# Altium PCB PCB1.PcbDoc (part 2 of 5) (continued)
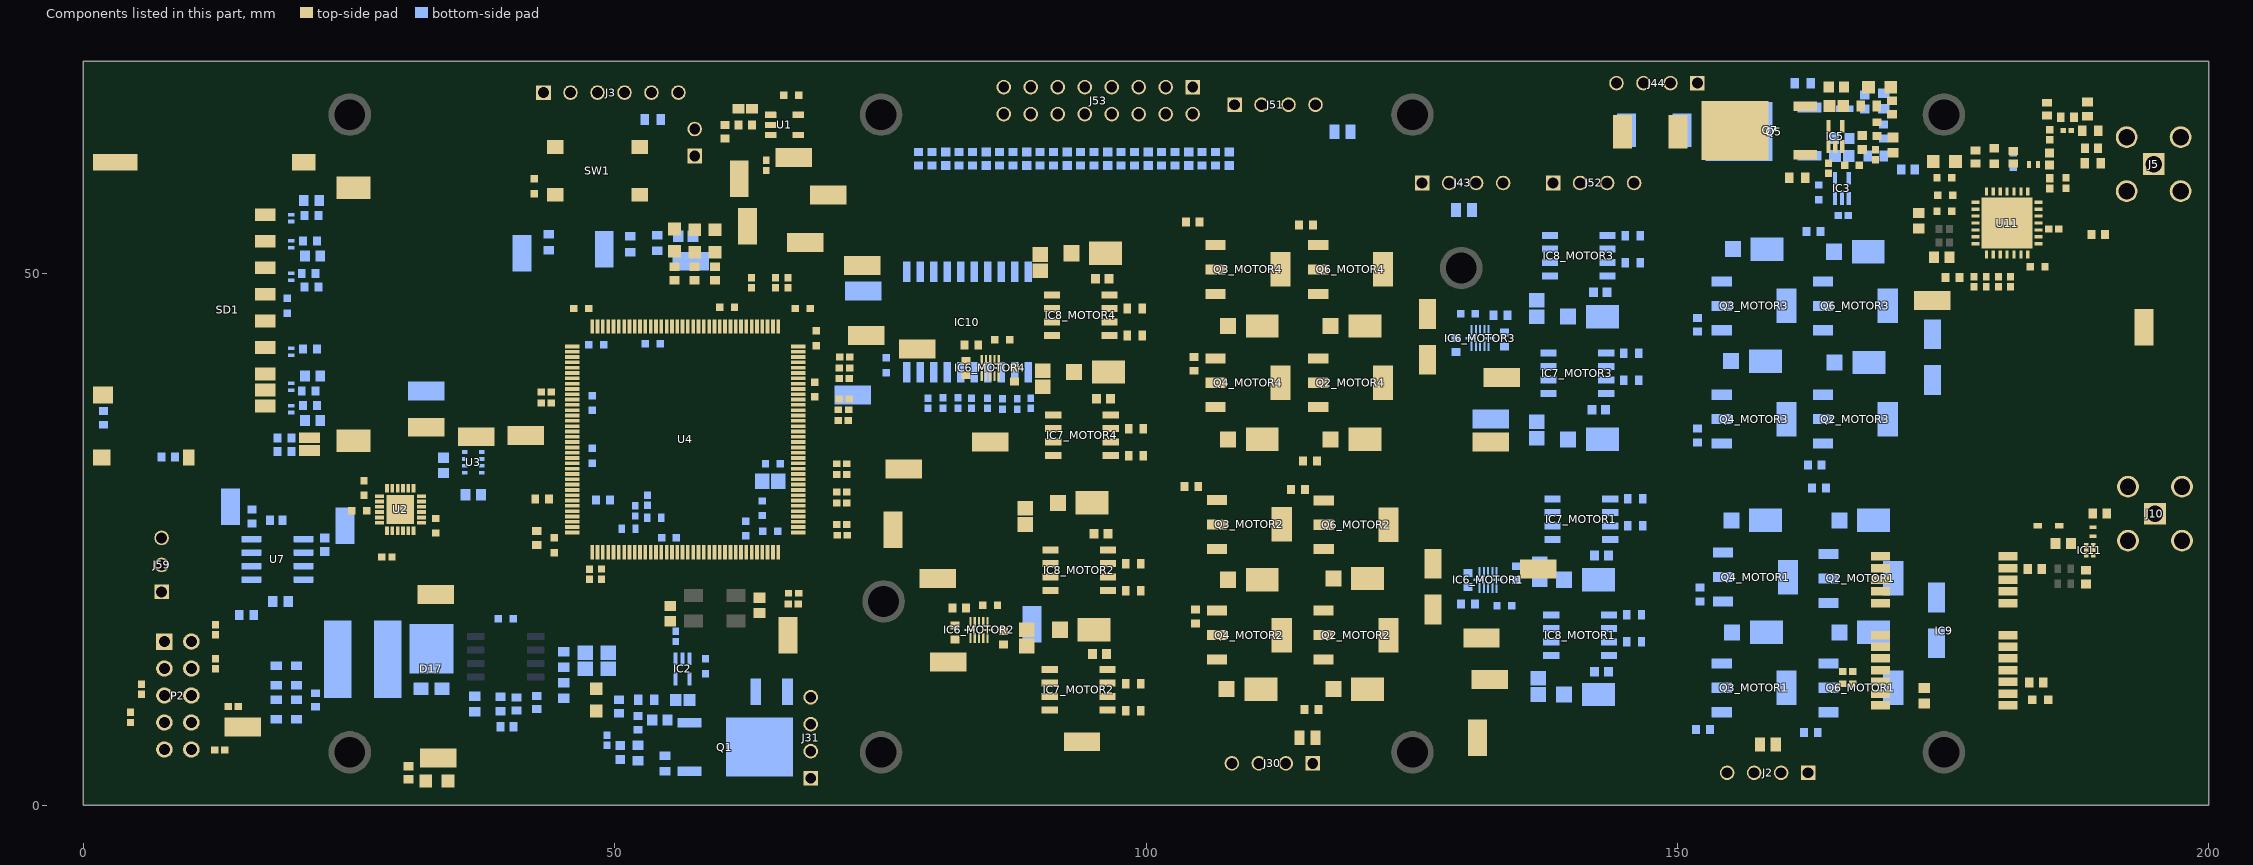
[diagram p6: the components of this part, seen from the top]
## Part data (continued)
C37: library part CMP-2000-06072-1, "Chip Capacitor, 33 pF, +/- 5%, 50 V, -55 to 125 degC, 0603 (1608 Metric), RoHS, Tape and Reel", Capacitance=33pF, Case Code (Imperial)=0603, Case Code (Metric)=1608, Dielectric=C0G, Dielectric Material=Ceramic, Insulation Resistance=100GR, Manufacturer=Yageo, Max Operating Temperature=125°C, Min Operating Temperature=-55°C, Operating Temperature=-55°C~125°C, Package / Case=0603(1608Metric), Package Description="2-Pin Surface Mount Device, Body 1.6 x 0.8 mm", Package Quantity=1, Ratings=-, Standard Package=4,000, Supplier Part Number 1=603-C0603JRNPO9BN330, Temperature Coefficient=COG, Tolerance=±5%, Voltage=50V, Applications=GeneralPurpose, Case/Package=0603, Category=Capacitors, ComponentLink1Description=https://datasheet.ciiva.com/11786/0900766b8079c870-11786082.pdf?src-supplier=RSComponents, ComponentLink1URL=https://datasheet.ciiva.com/11786/0900766b8079c870-11786082.pdf?src-supplier=RSComponents, ComponentLink2Description=https://datasheet.ciiva.com/26862/getdatasheetpartid-403532-26862767.pdf?src-supplier=Verical, ComponentLink2URL=https://datasheet.ciiva.com/26862/getdatasheetpartid-403532-26862767.pdf?src-supplier=Verical, ComponentLink3Description=https://datasheet.ciiva.com/144/mlccorderingcode-144643.pdf?src-supplier=Digi-Key, ComponentLink3URL=https://datasheet.ciiva.com/144/mlccorderingcode-144643.pdf?src-supplier=Digi-Key, ComponentLink4Description=https://datasheet.ciiva.com/144/mlccorderingcode-144644.pdf?src-supplier=Digi-Key, ComponentLink4URL=https://datasheet.ciiva.com/144/mlccorderingcode-144644.pdf?src-supplier=Digi-Key, ComponentLink5Description=https://datasheet.ciiva.com/144/mlccorderingcode-144645.pdf?src-supplier=Digi-Key, ComponentLink5URL=https://datasheet.ciiva.com/144/mlccorderingcode-144645.pdf?src-supplier=Digi-Key, ComponentLink6Description=https://datasheet.ciiva.com/5426/upy-gp-np0-16v-to-50v-8-5426614.pdf?src-supplier=Mouser, ComponentLink6URL=https://datasheet.ciiva.com/5426/upy-gp-np0-16v-to-50v-8-5426614.pdf?src-supplier=Mouser, ComponentLink7Description=https://datasheet.ciiva.com/8033/1372269-8033734.pdf?src-supplier=Element14, ComponentLink7URL=https://datasheet.ciiva.com/8033/1372269-8033734.pdf?src-supplier=Element14, ComponentLink8Description=https://datasheet.ciiva.com/8033/1443161-8033735.pdf?src-supplier=Element14, ComponentLink8URL=https://datasheet.ciiva.com/8033/1443161-8033735.pdf?src-supplier=Element14, ComponentLink9Description=https://datasheet.ciiva.com/11464/upy-gp-np0-16v-to-50v-8-11464730.pdf?src-supplier=Avnet, ComponentLink9URL=https://datasheet.ciiva.com/11464/upy-gp-np0-16v-to-50v-8-11464730.pdf?src-supplier=Avnet, ComponentLink10Description=https://datasheet.ciiva.com/46430/1835847-46430155.pdf?src-supplier=Element14, ComponentLink10URL=https://datasheet.ciiva.com/46430/1835847-46430155.pdf?src-supplier=Element14, ComponentLink11Description=https://datasheet.ciiva.com/7978/1443161-7978142.pdf?src-supplier=Element14, ComponentLink11URL=https://datasheet.ciiva.com/7978/1443161-7978142.pdf?src-supplier=Element14, Datasheet URL=http://www.yageo.com/NewPortal/yageodocoutput?fileName=/pdf/MLCC/UPY-GP_NP0_16V-to-50V_14.pdf, Datasheet Version="Rev. 14, 07/2016", Depth=0.8mm, Family=CeramicCapacitors, Featured Product=CommodityMultilayerCeramicCapacitors–CCSeries, Features=-, Height=0.8mm, Height - Seated (Max)=-, Lead Free="Lead Free", Lead Spacing=-, Lead Style=-, Length=1.6mm, Manufacturer Part Number=CC0603JRNPO9BN330, Manufacturer URL=http://www.yageo.com/, Mount="Surface Mount", Mounting Technology=SurfaceMount, Mounting Type=SurfaceMount,MLCC, Number of Pins=2, Online Catalog=CCSeries, Other Names=0603CG330J9B200223886715339223886715339311-1064-2311-1282-2311-1282-2-NDCC0603JRNP09BN330BCC0603JRNPO9BN330B, Package Reference=0603, Packaging=Tape&Reel(TR), Pricing 1="1=0,10000, 10=0,05700, 50=0,05700, 100=0,02500, 500=0,01900, 1000=0,01500, 4000=0,01200, 8000=0,01000, 10000=0,01000 (USD)", Product Training Modules=MultilayerCeramicCapacitors, Radiation Hardening=No, REACH SVHC="No SVHC", Resistor Type=Ceramic, RoHS=Yes, RoHS Compliant=Yes, Series=CC, Size / Dimension="0.063\"Lx0.031\"W(1.60mmx0.80mm)", Stock 1=34053, Supplier 1=Mouser, Termination=SMD/SMT, Thickness=0.035inch, Thickness (Max)="0.035\"(0.90mm)", Voltage - Rated=50V, Voltage Rating=50V, Voltage Rating (DC)=50V, Width=0.031inch
C38: library part CMP-2006-03239-2, "CAP CER 4.7PF 50V NP0 0603", Capacitance="4.7 pF", Case Code (Imperial)=0603, Case Code (Metric)=1608, Dielectric=C0G, Dielectric Material=Ceramic, Manufacturer=KEMET, Max Operating Temperature=125°C, Min Operating Temperature=-55°C, Package=C0603C-CF, Package Quantity=1, Supplier Part Number 1=80-C0603C479C5G, Temperature="-55°C to +125°C", Temperature Coefficient=30ppm/°C, Temperature Range High=+125°C, Tolerance="0.25 pF", Voltage=50V, Voltage Rating="50 V", Automotive=Yes, Automotive Grade="Grade 1", Case/Package=0603, Category=Cap, ComponentLink1Description=https://datasheet.ciiva.com/16623/datasheetpn-c0603c479c5gac7867-16623650.pdf?src-supplier=Avnet+Europe, ComponentLink1URL=https://datasheet.ciiva.com/16623/datasheetpn-c0603c479c5gac7867-16623650.pdf?src-supplier=Avnet+Europe, ComponentLink2Description=Datasheet, ComponentLink2URL=https://api.kemet.com/component-edge/download/datasheet/C0603C100J5GACAUTO.pdf, ComponentLink3Description=https://datasheet.ciiva.com/7823/40889-7823813.pdf?src-supplier=Element14, ComponentLink3URL=https://datasheet.ciiva.com/7823/40889-7823813.pdf?src-supplier=Element14, ComponentLink4Description=https://datasheet.ciiva.com/5422/kem-c1003-c0g-smd-5422091.pdf?src-supplier=Mouser, ComponentLink4URL=https://datasheet.ciiva.com/5422/kem-c1003-c0g-smd-5422091.pdf?src-supplier=Mouser, Construction=Flat, Contact Plating=Tin,Matte, Depth=0.8mm, Device Class L1="Passive Components", Device Class L2=Capacitors, Device Class L3="Ceramic Capacitors", Digikey Description="CAP CER 4.7PF 50V NP0 0603", Height=0.87mm, Lead Free=Yes, Lead Pitch=0.7mm, Length=1.6mm, Manufacturer Part Number=C0603C479C5GACTU, Material=Ceramic, Mount="Surface Mount", Mouser Description="Multilayer Ceramic Capacitors MLCC - SMD/SMT 50volts 4.7pF C0G 0.25%", Number of Pins=2, Octopart=https://octopart.com/c0603c479c5gactu-kemet-3648287, Packaging="Tape and Reel", Pricing 1="1=0,38000, 10=0,21400, 50=0,21400, 100=0,13700, 500=0,11800, 1000=0,10600, 4000=0,07800, 10000=0,07800 (USD)", Radiation Hardening=No, REACH SVHC="No SVHC", RoHS=TRUE, RoHS Compliant=Yes, Series=C, Stock 1=25651, Supplier 1=Mouser, Temperature Characteristic=C0G, Temperature Range Low=-55°C, Termination=SMD/SMT, Thickness=0.034inch, Voltage Rating (DC)=50V, Width=0.031inch
C39: library part CMP-2006-04666-1, Capacitance=1.8pF, Case Code (Imperial)=0603, Case Code (Metric)=1608, Dielectric=C0G, Dielectric Material=Ceramic, Manufacturer="AVX Interconnect / Elco", Max Operating Temperature=125°C, Min Operating Temperature=-55°C, Package Quantity=8000, Supplier Part Number 1=581-06032U1R8B, Temperature Coefficient=30ppm/°C, Voltage=200V, Case/Package=0603, Category="Ceramic Capacitors", ComponentLink1Description=https://datasheet.ciiva.com/11786/0900766b80def273-11786574.pdf?src-supplier=RSComponents, ComponentLink1URL=https://datasheet.ciiva.com/11786/0900766b80def273-11786574.pdf?src-supplier=RSComponents, ComponentLink2Description=https://datasheet.ciiva.com/1124/319610-1124480.pdf?src-supplier=Element14, ComponentLink2URL=https://datasheet.ciiva.com/1124/319610-1124480.pdf?src-supplier=Element14, ComponentLink3Description=https://datasheet.ciiva.com/207/useries-207428.pdf?src-supplier=Digi-Key, ComponentLink3URL=https://datasheet.ciiva.com/207/useries-207428.pdf?src-supplier=Digi-Key, ComponentLink4Description=https://datasheet.ciiva.com/11572/useries-11572647.pdf?src-supplier=Avnet, ComponentLink4URL=https://datasheet.ciiva.com/11572/useries-11572647.pdf?src-supplier=Avnet, ComponentLink5Description=https://datasheet.ciiva.com/17489/useries-17489483.pdf?src-supplier=Avnet+Europe, ComponentLink5URL=https://datasheet.ciiva.com/17489/useries-17489483.pdf?src-supplier=Avnet+Europe, ComponentLink6Description=https://datasheet.ciiva.com/16327/useries-16327213.pdf?src-supplier=Future+Electronics, ComponentLink6URL=https://datasheet.ciiva.com/16327/useries-16327213.pdf?src-supplier=Future+Electronics, ComponentLink7Description=https://datasheet.ciiva.com/1124/319610-1124479.pdf?src-supplier=Element14, ComponentLink7URL=https://datasheet.ciiva.com/1124/319610-1124479.pdf?src-supplier=Element14, Construction=Flat, Contact Plating=Tin,Matte, Depth=0.76mm, Height=2.03mm, Lead Free="Lead Free", Length=1.52mm, Manufacturer Part Number=06032U1R8BAT2A, Mount="Surface Mount", Packaging="Tape and Reel", Part Number=06032U1R8BAT2A, Pricing 1="1=0,35000, 10=0,24000, 50=0,24000, 100=0,13600, 500=0,09600, 1000=0,08400, 4000=0,07400, 8000=0,06100, 10000=0,06100 (USD)", Radiation Hardening=No, REACH SVHC="No SVHC", Resistor Type=Ceramic, RoHS=Yes, RoHS Compliant=Yes, Series=U, Stock 1=3809, Supplier 1=Mouser, Termination=SMD/SMT, Thickness=0.036inch, Voltage Rating=200V, Voltage Rating (DC)=200V, Width=0.03inch
C49: library part CMP-2100-03600-2, "CAP CER 10000PF 50V X7R 0603", Capacitance="10 nF", Case Code (Imperial)=0603, Case Code (Metric)=1608, Dielectric=X7R, Insulation Resistance=100GR, Manufacturer=YAGEO, Max Operating Temperature=125°C, Min Operating Temperature=-55°C, Package=CC0603-DA, Package Quantity=1, Resistor Type=Ceramic, Supplier Part Number 1=603-CC603KRX7R9BB103, Temperature="-55°C to +125°C", Temperature Coefficient=15%, Temperature Range High=+125°C, Tolerance=0.1, Voltage="50 V", Voltage Rating (DC)=50V, Automotive=No, Case/Package=0603, Category=Cap, ComponentLink1Description=https://datasheet.ciiva.com/11788/0900766b8079c870-11788374.pdf?src-supplier=RSComponents, ComponentLink1URL=https://datasheet.ciiva.com/11788/0900766b8079c870-11788374.pdf?src-supplier=RSComponents, ComponentLink2Description=Datasheet, ComponentLink2URL=http://www.yageo.com/documents/recent/UPY-GPHC_X7R_6.3V-to-50V_18.pdf, ComponentLink3Description=https://datasheet.ciiva.com/26862/getdatasheetpartid-403582-26862846.pdf?src-supplier=Verical, ComponentLink3URL=https://datasheet.ciiva.com/26862/getdatasheetpartid-403582-26862846.pdf?src-supplier=Verical, ComponentLink4Description=https://datasheet.ciiva.com/8033/1734573-8033861.pdf?src-supplier=Element14, ComponentLink4URL=https://datasheet.ciiva.com/8033/1734573-8033861.pdf?src-supplier=Element14, ComponentLink5Description=https://datasheet.ciiva.com/176/mlccorderingcode-176550.pdf?src-supplier=Digi-Key, ComponentLink5URL=https://datasheet.ciiva.com/176/mlccorderingcode-176550.pdf?src-supplier=Digi-Key, ComponentLink6Description=https://datasheet.ciiva.com/176/mlccorderingcode-176551.pdf?src-supplier=Digi-Key, ComponentLink6URL=https://datasheet.ciiva.com/176/mlccorderingcode-176551.pdf?src-supplier=Digi-Key, ComponentLink7Description=https://datasheet.ciiva.com/13389/upy-gphc-x7r-6-3v-to-50v-8-13389991.pdf?src-supplier=Mouser, ComponentLink7URL=https://datasheet.ciiva.com/13389/upy-gphc-x7r-6-3v-to-50v-8-13389991.pdf?src-supplier=Mouser, ComponentLink8Description=https://datasheet.ciiva.com/176/mlccorderingcode-176552.pdf?src-supplier=Digi-Key, ComponentLink8URL=https://datasheet.ciiva.com/176/mlccorderingcode-176552.pdf?src-supplier=Digi-Key, ComponentLink9Description=https://datasheet.ciiva.com/8033/1734573-8033816.pdf?src-supplier=Element14, ComponentLink9URL=https://datasheet.ciiva.com/8033/1734573-8033816.pdf?src-supplier=Element14, ComponentLink10Description=https://datasheet.ciiva.com/8033/70765-8033817.pdf?src-supplier=Element14, ComponentLink10URL=https://datasheet.ciiva.com/8033/70765-8033817.pdf?src-supplier=Element14, ComponentLink11Description=https://datasheet.ciiva.com/16625/upy-gphc-x7r-6-3v-to-50v-8-16625529.pdf?src-supplier=Avnet+Europe, ComponentLink11URL=https://datasheet.ciiva.com/16625/upy-gphc-x7r-6-3v-to-50v-8-16625529.pdf?src-supplier=Avnet+Europe, ComponentLink12Description=https://datasheet.ciiva.com/28450/1489800-28450619.pdf?src-supplier=Element14, ComponentLink12URL=https://datasheet.ciiva.com/28450/1489800-28450619.pdf?src-supplier=Element14, Depth=0.8mm, Device Class L1="Passive Components", Device Class L2=Capacitors, Device Class L3="Ceramic Capacitors", Digikey Description="CAP CER 10000PF 50V X7R 0603", Footprint Url=http://www.yageo.com/exep/pages/download/literatures/UPY-C_GEN_24.pdf, Halogen Free="Halogen Free", Height=0.9mm, Lead Free=Yes, Length=1.6mm, Manufacturer Part Number=CC0603KRX7R9BB103, Material=Ceramic, Mount="Surface Mount", Mouser Description="Multilayer Ceramic Capacitor, CC Series, 0.01 - F, - 10%, X7R, 50 V, 0603 [1608 Metric]", Number of Pins=2, Octopart=https://octopart.com/cc0603krx7r9bb103-yageo-192938, Packaging="Tape and Reel", Pricing 1="1=0,10000, 10=0,05300, 50=0,05300, 100=0,02400, 500=0,01700, 1000=0,01300, 2000=0,01200, 4000=0,01100, 8000=0,00900, 10000=0,00900 (USD)", Radiation Hardening=No, REACH SVHC="No SVHC", RoHS=TRUE, RoHS Compliant=Yes, Series=CC, Stock 1=73824, Supplier 1=Mouser, Temperature Characteristic=X7R, Temperature Range Low=-55°C, Termination=SMD/SMT, Thickness=0.035inch, Voltage Rating="50 V", Width=0.031inch
C53: library part CMP-2000-07551-2, "Multilayer Ceramic Capacitors 330nF ±10% 50V X7R SMD 0603", Capacitance=330nF, Case Code (Imperial)=0603, Case Code (Metric)=1608, Dielectric=X7R, Dielectric Material=Ceramic, Manufacturer=TDK, Max Operating Temperature=125°C, Min Operating Temperature=-55°C, Package Quantity=1, Supplier Part Number 1=810-C1608X7R1H334K, Tolerance=10%, Voltage=50V, Case/Package=0603, Category="Ceramic Capacitors", ComponentLink1Description=https://datasheet.ciiva.com/22718/1796654-22718021.pdf?src-supplier=Element14, ComponentLink1URL=https://datasheet.ciiva.com/22718/1796654-22718021.pdf?src-supplier=Element14, ComponentLink2Description=https://datasheet.ciiva.com/6290/tdkmlcccaprange-6290791.pdf?src-supplier=Digi-Key, ComponentLink2URL=https://datasheet.ciiva.com/6290/tdkmlcccaprange-6290791.pdf?src-supplier=Digi-Key, ComponentLink3Description=https://datasheet.ciiva.com/16427/general-b11-16427753.pdf?src-supplier=Future+Electronics, ComponentLink3URL=https://datasheet.ciiva.com/16427/general-b11-16427753.pdf?src-supplier=Future+Electronics, ComponentLink4Description=https://datasheet.ciiva.com/23803/1735394-23803004.pdf?src-supplier=Newark, ComponentLink4URL=https://datasheet.ciiva.com/23803/1735394-23803004.pdf?src-supplier=Newark, ComponentLink5Description=https://datasheet.ciiva.com/28451/1796654-28451356.pdf?src-supplier=Element14, ComponentLink5URL=https://datasheet.ciiva.com/28451/1796654-28451356.pdf?src-supplier=Element14, ComponentLink6Description=https://datasheet.ciiva.com/6290/tdkmlcccaprange-6290782.pdf?src-supplier=Digi-Key, ComponentLink6URL=https://datasheet.ciiva.com/6290/tdkmlcccaprange-6290782.pdf?src-supplier=Digi-Key, Construction=Flat, Depth=0.8mm, Height=0.8mm, Lead Free="Lead Free", Length=1.6mm, Manufacturer Part Number=C1608X7R1H334K080AC, Mount="Surface Mount", Packaging="Tape and Reel", Pricing 1="1=0,25000, 10=0,11500, 50=0,11500, 100=0,09700, 1000=0,06000, 10000=0,05000 (USD)", REACH SVHC="No SVHC", Resistor Type=Ceramic, RoHS=Yes, RoHS Compliant=Yes, Series=C, Stock 1=79489, Supplier 1=Mouser, Termination=SMD/SMT, Thickness=0.037inch, Voltage Rating=50V, Voltage Rating (DC)=50V, Weight=7.1E-05oz, Width=0.031inch
C56_MOTOR1 C56_MOTOR2 C56_MOTOR3 C56_MOTOR4 C59_MOTOR1 C59_MOTOR2 C59_MOTOR3 C59_MOTOR4 C63 C64 C66: library part CMP-08246-002675-1, "Multilayer Ceramic Capacitors 10μF ±10% 25V X5R SMD 0805", Capacitance=10uF, Case Code (Imperial)=0805, Case Code (Metric)=2012, Dielectric=X5R, Dielectric Material=Ceramic, Manufacturer=TDK, Max Operating Temperature=85°C, Min Operating Temperature=-55°C, Package Quantity=1, Supplier Part Number 1=810-C2012X5R1E106K, Tolerance=10%, Voltage=25V, Case/Package=0805, Category="Ceramic Capacitors", ComponentLink1Description=https://datasheet.ciiva.com/22725/1913358-22725561.pdf?src-supplier=Element14, ComponentLink1URL=https://datasheet.ciiva.com/22725/1913358-22725561.pdf?src-supplier=Element14, ComponentLink2Description=https://datasheet.ciiva.com/16394/general-b11-16394044.pdf?src-supplier=Future+Electronics, ComponentLink2URL=https://datasheet.ciiva.com/16394/general-b11-16394044.pdf?src-supplier=Future+Electronics, ComponentLink3Description=https://datasheet.ciiva.com/24216/mlcc-commercial-general-en-24216237.pdf?src-supplier=Mouser, ComponentLink3URL=https://datasheet.ciiva.com/24216/mlcc-commercial-general-en-24216237.pdf?src-supplier=Mouser, Depth=1.25mm, Height=1.25mm, Lead Free="Lead Free", Length=2mm, Manufacturer Part Number=C2012X5R1E106K125AB, Mount="Surface Mount", Packaging="Tape and Reel", Pricing 1="1=0,34000, 10=0,24100, 50=0,24100, 100=0,14400, 1000=0,09100, 10000=0,08800 (USD)", REACH SVHC="No SVHC", Resistor Type=Ceramic, RoHS=Yes, Series=C, Stock 1=75897, Supplier 1=Mouser, Termination=SMD/SMT, Thickness=0.057inch, Voltage Rating=25V, Voltage Rating (DC)=25V, Weight=0.000194oz, Width=0.049inch
C61: library part CMP-2006-03010-2, "CAP CER 1000PF 25V 5% NP0 0603", Capacitance=1nF, Case Code (Imperial)=0603, Case Code (Metric)=1608, Dielectric=C0G, Dielectric Material=Ceramic, Manufacturer=KEMET, Max Operating Temperature=125°C, Min Operating Temperature=-55°C, Package=C0603C-CF, Package Quantity=1, Supplier Part Number 1=80-C0603C102J3G, Temperature="-55°C to +125°C", Temperature Coefficient=30ppm/°C, Temperature Range High=+125°C, Tolerance=0.05, Voltage=25V, Voltage Rating="25 V", Automotive=Yes, Automotive Grade="Grade 1", Case/Package=0603, Category=Cap, ComponentLink1Description=https://datasheet.ciiva.com/18192/getdatasheetpartid-127803-18192629.pdf?src-supplier=Verical, ComponentLink1URL=https://datasheet.ciiva.com/18192/getdatasheetpartid-127803-18192629.pdf?src-supplier=Verical, ComponentLink2Description=Datasheet, ComponentLink2URL=https://api.kemet.com/component-edge/download/datasheet/C0603C100J5GACAUTO.pdf, ComponentLink3Description=https://datasheet.ciiva.com/7823/f9080b-0402-series-c0g-7823966.pdf?src-supplier=Element14, ComponentLink3URL=https://datasheet.ciiva.com/7823/f9080b-0402-series-c0g-7823966.pdf?src-supplier=Element14, ComponentLink4Description=https://datasheet.ciiva.com/7823/f9080b-0402-series-c0g-7823967.pdf?src-supplier=Element14, ComponentLink4URL=https://datasheet.ciiva.com/7823/f9080b-0402-series-c0g-7823967.pdf?src-supplier=Element14, Construction=Flat, Contact Plating=Tin,Matte, Depth=0.8mm, Device Class L1="Passive Components", Device Class L2=Capacitors, Device Class L3="Ceramic Capacitors", Digikey Description="CAP CER 1000PF 25V 5% NP0 0603", Height=0.87mm, Lead Free=Yes, Lead Pitch=0.7mm, Length=1.6mm, Manufacturer Part Number=C0603C102J3GACTU, Material=Ceramic, Mount="Surface Mount", Mouser Description="Multilayer Ceramic Capacitors MLCC - SMD/SMT 25volts 1000pF C0G 5%", Number of Pins=2, Octopart=https://octopart.com/c0603c102j3gactu-kemet-8375722, Packaging="Tape and Reel", Pricing 1="1=0,10000, 10=0,02700, 50=0,02700, 100=0,02200, 500=0,01600, 1000=0,01200, 4000=0,01000, 8000=0,00900, 10000=0,00900 (USD)", Radiation Hardening=No, REACH SVHC="No SVHC", RoHS=TRUE, RoHS Compliant=Yes, Series=C, Stock 1=70048, Supplier 1=Mouser, Temperature Characteristic=C0G, Temperature Range Low=-55°C, Termination=SMD/SMT, Thickness=0.034inch, Voltage Rating (DC)=25V, Width=0.031inch
C67: library part CMP-03020-028619-1, "CAP CER 10PF 25V NP0 0603", Capacitance="10 pF", Case Code (Imperial)=0603, Case Code (Metric)=1608, Dielectric=C0G, Dielectric Material=Ceramic, Manufacturer=KEMET, Max Operating Temperature=125°C, Min Operating Temperature=-55°C, Package=C0603C-CF, Package Quantity=4000, Supplier Part Number 1=80-C0603C100J3G, Temperature="-55°C to +125°C", Temperature Coefficient=30ppm/°C, Temperature Range High=+125°C, Tolerance=0.05, Voltage Rating="25 V", Voltage Rating (DC)=25V, Automotive=Yes, Automotive Grade="Grade 1", Case/Package=0603, Category=Cap, ComponentLink1Description=https://datasheet.ciiva.com/5450/kem-c1003-c0g-smd-356956-5450264.pdf?src-supplier=Mouser, ComponentLink1URL=https://datasheet.ciiva.com/5450/kem-c1003-c0g-smd-356956-5450264.pdf?src-supplier=Mouser, ComponentLink2Description=Datasheet, ComponentLink2URL=https://api.kemet.com/component-edge/download/datasheet/C0603C100J5GACAUTO.pdf, Construction=Flat, Depth=0.8mm, Device Class L1="Passive Components", Device Class L2=Capacitors, Device Class L3="Ceramic Capacitors", Digikey Description="CAP CER 10PF 25V NP0 0603", Dissipation Factor=0.1%, Height=0.87mm, Lead Free=Yes, Lead Pitch=0.7mm, Length=1.6mm, Manufacturer Part Number=C0603C100J3GACTU, Material=Ceramic, Mount="Surface Mount", Mouser Description="Capacitor, Ceramic, 10Pf, 25Vdc, 5-% Tol, 5+% Tol, C0g-Tc Code, -30, 30Ppm-Tc Rohs Compliant: Yes", Octopart=https://octopart.com/c0603c100j3gactu-kemet-16430573, Packaging="Tape and Reel", Pricing 1="1=0,26000, 10=0,18000, 50=0,18000, 100=0,10300, 1000=0,06400, 10000=0,05500 (USD)", Radiation Hardening=No, RoHS=TRUE, RoHS Compliant=Yes, Series=C, Stock 1=3745, Supplier 1=Mouser, Temperature Characteristic=C0G, Temperature Range Low=-55°C, Termination=SMD/SMT, Thickness=0.034inch, Width=0.031inch
C68: library part CMP-2006-03852-2, "CAP CER 8200PF 25V X7R 0603", Capacitance="8,200 pF", Case Code (Imperial)=0603, Case Code (Metric)=1608, Dielectric=X7R, Dielectric Material=Ceramic, Manufacturer=KEMET, Max Operating Temperature=125°C, Min Operating Temperature=-55°C, Package=C0603C-CF, Package Quantity=4000, Supplier Part Number 1=80-C0603C822K3R, Temperature="-55°C to +125°C", Temperature Coefficient=30ppm/°C, Temperature Range High=+125°C, Tolerance=0.1, Voltage Rating="25 V", Voltage Rating (DC)=25V, Automotive=Yes, Automotive Grade="Grade 1", Case/Package=0603, Category=Cap, ComponentLink1Description=https://datasheet.ciiva.com/5437/kem-c1002-x7r-smd-357932-5437145.pdf?src-supplier=Mouser, ComponentLink1URL=https://datasheet.ciiva.com/5437/kem-c1002-x7r-smd-357932-5437145.pdf?src-supplier=Mouser, ComponentLink2Description=Datasheet, ComponentLink2URL=https://api.kemet.com/component-edge/download/datasheet/C0603C100J5GACAUTO.pdf, Depth=0.8mm, Device Class L1="Passive Components", Device Class L2=Capacitors, Device Class L3="Ceramic Capacitors", Digikey Description="CAP CER 8200PF 25V X7R 0603", Dissipation Factor=10%, Height=0.87mm, Lead Free=Yes, Lead Pitch=0.7mm, Length=1.6mm, Manufacturer Part Number=C0603C822K3RACTU, Material=Ceramic, Mount="Surface Mount", Mouser Description="Capacitor, Ceramic, 8.2Nf, 25Vdc, 10-% Tol, 10+% Tol, X7r-Tc Code, -15, 15%-Tc Rohs Compliant: Yes", Octopart=https://octopart.com/c0603c822k3ractu-kemet-9144236, Packaging="Tape and Reel", Pricing 1="1=0,26000, 10=0,18000, 50=0,18000, 100=0,10200, 1000=0,06300, 10000=0,05500 (USD)", RoHS=TRUE, RoHS Compliant=Yes, Series=C, Stock 1=7611, Supplier 1=Mouser, Temperature Characteristic=X7R, Temperature Range Low=-55°C, Termination=SMD/SMT, Thickness=0.034inch, Width=0.031inch
C69: library part CMP-1035-02159-3, "CAP CER 3900PF 25V X7R 0603", Capacitance=3.9nF, Case Code (Imperial)=0603, Case Code (Metric)=1608, Dielectric=X7R, Dielectric Material=Ceramic, Manufacturer=KEMET, Max Operating Temperature=125°C, Min Operating Temperature=-55°C, Package=C0603C-CF, Package Quantity=4000, Supplier Part Number 1=80-C0603C392K3R, Temperature="-55°C to +125°C", Temperature Coefficient=30ppm/°C, Temperature Range High=+125°C, Tolerance=0.1, Voltage Rating="25 V", Voltage Rating (DC)=25V, Automotive=Yes, Automotive Grade="Grade 1", Case/Package=0603, Category=Cap, ComponentLink1Description=http://components.arrow.com/part/dataview/3445519S6614818N7429?src-supplier=Arrow+Electronics, ComponentLink1URL=http://components.arrow.com/part/dataview/3445519S6614818N7429?src-supplier=Arrow+Electronics, ComponentLink2Description=Datasheet, ComponentLink2URL=https://api.kemet.com/component-edge/download/datasheet/C0603C100J5GACAUTO.pdf, ComponentLink3Description=http://www.mouser.com/ds/2/212/KEM_C1002_X7R_SMD-1102033.pdf?src-supplier=Mouser, ComponentLink3URL=http://www.mouser.com/ds/2/212/KEM_C1002_X7R_SMD-1102033.pdf?src-supplier=Mouser, ComponentLink4Description=http://www.kemet.com/docfinder?Partnumber=C0603C392K3RACTU&src-supplier=Digi-Key, ComponentLink4URL=http://www.kemet.com/docfinder?Partnumber=C0603C392K3RACTU&src-supplier=Digi-Key, Depth=0.8mm, Device Class L1="Passive Components", Device Class L2=Capacitors, Device Class L3="Ceramic Capacitors", Digikey Description="CAP CER 3900PF 25V X7R 0603", Height=0.87mm, Lead Free=Yes, Length=1.6mm, Manufacturer Part Number=C0603C392K3RACTU, Material=Ceramic, Mount="Surface Mount", Mouser Description="Cap Ceramic 0.0039uF 25V X7R 10% SMD 0603 125°C Paper T/R", Octopart=https://octopart.com/c0603c392k3ractu-kemet-12624904, Packaging="Tape and Reel", Pricing 1="1=0,26000, 10=0,18000, 50=0,18000, 100=0,10200, 1000=0,06300, 10000=0,05500 (USD)", RoHS=TRUE, RoHS Compliant=Yes, Series=C, Stock 1=897, Supplier 1=Mouser, Temperature Characteristic=X7R, Temperature Range Low=-55°C, Termination=SMD/SMT, Thickness=0.034inch, Weight=7.1E-05oz, Width=0.8mm
D1 D7 D8 D9 D10 D11: "TVS Diode (Bi-directional)", Manufacturer_Name=LITTELFUSE, Mouser Part Number=576-SP4322-01ETG, Arrow Part Number=SP4322-01ETG, Arrow Price/Stock=https://www.arrow.com/en/products/sp4322-01etg/littelfuse?region=nac, Datasheet Link=https://www.littelfuse.com/~/media/electronics/datasheets/tvs_diode_arrays/littelfuse_tvs_diode_array_sp4322_datasheet.pdf.pdf, Height=0.55mm, Manufacturer_Part_Number=SP4322-01ETG, Mouser Price/Stock=https://www.mouser.co.uk/ProductDetail/Littelfuse/SP4322-01ETG?qs=GedFDFLaBXEDJ%2FYu5biL0A%3D%3D
D2 D3 D4 D18 D19 D20 D21: library part CMP-2000-05062-1, "Chip LED, Green, 2.2 V, -40 to 85 degC, 2-Pin SMD, Pb-Free, Tape and Reel", Case Code (Imperial)=0805, Case Code (Metric)=2012, Color=Green,Yellow, Forward Current=20mA, Forward Voltage=2.2V, Forward Voltage VF Max=2.6V, Illumination Color=Green, Lens Color=White, Manufacturer=Avago, Max Operating Temperature=85°C, Min Operating Temperature=-30°C, Operating Temperature Max=85degC, Operating Temperature Min=-30degC, Operating Temperature Range=-30degCto+85degC, Opto Case Style=SMD, Package Description="2-Pin Surface Mount Device, Body 2 x 1.25 mm, Height 0.8 mm", Package Quantity=4000, Package Reference=HSMX-C170, Power Dissipation=52mW, Reverse Voltage=5V, Storage Temperature Min=-40degC, Supplier Part Number 1=630-HSMG-C170, Bulb Size=1.25mmx1.4mm, Case/Package=0805, Category=LEDs, Datasheet URL=https://datasheet.ciiva.com/29280/180495-da-01-en-chip-led-hsmg-c170-gelb-gruen-29280971.pdf, Datasheet Version=Oct-08, Depth=1.25mm, Dominant Wavelength=572nm, Dominant Wavelength Typ=572nm, External Depth=0.8mm, External Length / Height=2mm, External Width=1.25mm, Forward Current If=20mA, Forward Current If Max=20mA, Height=0.8mm, Lead Free="Lead Free", LED Colour=Green, LED Mounting=SMD, LED Type=Standard, Length=2mm, Lens Shape=Rectangular, Lens Style=Diffused,Colorless,Rectangular, Lens Transparency=Diffused, Light Area Height=1mm, Luminous Intensity=15mcd, Luminous Intensity Min=4mcd, Luminous Intensity Typ=15mcd, Manufacturer Part Number=HSMG-C170, Manufacturer URL=http://www.avagotech.com/, Mount="Surface Mount", Mounting Type=SMD, MSL=MSL2A-4weeks, No. of Pins=2, Number of Elements=1, Number of LEDs=1, Number of Pins=2, Opto Mounting Orientation=Top, Packaging=CutTape, Peak Forward Current=20mA, Peak Wavelength=570nm, PIV Max=5V, Power Rating=52mW, Pricing 1="1=0,39000, 10=0,25800, 50=0,25800, 100=0,12000, 1000=0,10000, 4000=0,08400, 8000=0,07600, 10000=0,07600, 24000=0,07100, 48000=0,06700 (USD)", Radiation Hardening=No, REACH SVHC="No SVHC", RoHS=Yes, RoHS Compliant=Yes, Series=-, Stock 1=2037, Storage Temperature Max=85degC, Supplier 1=Mouser, SVHC=NoSVHC(16-Jun-2014), Test Current=20mA, Viewing Angle=170deg, Voltage Vf Typ=2.2V, Wavelength=572nm, Wavelength Typ=570nm, Width=1.25mm
D5_MOTOR1 D5_MOTOR2 D5_MOTOR3 D5_MOTOR4 D6_MOTOR1 D6_MOTOR2 D6_MOTOR3 D6_MOTOR4 D13_MOTOR1 D13_MOTOR2 D13_MOTOR3 D13_MOTOR4 D14_MOTOR1 D14_MOTOR2 D14_MOTOR3 D14_MOTOR4 D15_MOTOR1 D15_MOTOR2 D15_MOTOR3 D15_MOTOR4 D16_MOTOR1 D16_MOTOR2 D16_MOTOR3 D16_MOTOR4: "Diode", Arrow Part Number=V4PAN50-M3/I, Manufacturer_Name=Vishay, Mouser Part Number=78-V4PAN50-M3/I, Arrow Price/Stock=https://www.arrow.com/en/products/v4pan50-m3i/vishay?region=nac, Datasheet Link=http://www.farnell.com/datasheets/2158732.pdf, Height=1mm, Manufacturer_Part_Number=V4PAN50-M3/I, Mouser Price/Stock=https://www.mouser.co.uk/ProductDetail/Vishay-General-Semiconductor/V4PAN50-M3-I?qs=r0jnxPZtNpqb%252BFSSnAKIyA%3D%3D
D12: library part CMP-0881-00001-1, "High Conductance Fast Switching Diode, 75 V, -55 to 150 degC, 2-Pin SOD523F, RoHS", Manufacturer="Fairchild Semiconductor", Temperature Range="-55 to 150 degC", BVR (IR="5 uA)=75 V Min.", CO="4 pF Max.", ComponentLink1Description="Manufacturer URL", ComponentLink1URL=http://www.fairchildsemi.com/, ComponentLink2Description=Datasheet, ComponentLink2URL=http://www.fairchildsemi.com/ds/1N/1N4148WT.pdf, DatasheetVersion="Rev. A2", IR (VR="75 V)=5 uA Max.", Mounting Technology="Surface Mount", PackageDescription="2-Pin Surface Mount Device, Body 1.2 x 0.8 mm, Height 0.7 mm", PackageReference=SOD-523F-2, PartNumber=1N4148WT, RoHS=TRUE, VF="1 V Max."
D17: library part CMP-07162-000007-1, "DIODE SCHOTTKY 45V 10A TO277-3", Capacitance=820pF, Forward Current=10A, Manufacturer="ON Semiconductor", Max Junction Temp=+150°C, Max Repetitive Reverse Voltage=45V, Max Surge Forward Current=300A, Package=340BQ, Peak Reverse Current=0.065mA, Temperature="-55°C to +150°C", Temperature Range Low=-55°C, Automotive=No, Category=Diode, ComponentLink2Description=Datasheet, ComponentLink2URL=https://www.onsemi.com/pub/Collateral/FSV1045V-D.pdf, Device Class L1="Discrete Semiconductors", Device Class L2=Diodes, Device Class L3="Schottky Diodes", Digikey Description="DIODE SCHOTTKY 45V 10A TO277-3", Footprint Url=https://www.onsemi.com/pub/Collateral/340BQ.PDF, Height=1.2mm, Lead Free=Yes, Manufacturer Part Number=FSV1045V, Mouser Description="Schottky Diodes & Rectifiers Schottky", Octopart=https://octopart.com/fsv1045v-on+semiconductor-84328650, Reverse Voltage=45V, RoHS=TRUE, Standoff Height=0.01mm, Temperature Range High=+150°C
DS1: library part CMP-1744-00004-1, "LED Uni-Color Red, 65 mW, 20 mA, -40 to 85 degC, 2-Pin SMD, RoHS, Tape and Reel", Current Rating="1 A", Max Operating Temperature="85 degC", Min Operating Temperature="-30 degC", Package Quantity=2000, ComponentLink1Description="Manufacturer URL", ComponentLink1URL=http://www.avagotech.com/, ComponentLink2Description=Datasheet, ComponentLink2URL=http://docs.avagotech.com/docs/AV02-0551EN, ComponentLink3Description="Package Specification", ComponentLink3URL=http://www.fairchildsemi.com/dwg/MA/MA03D.pdf, Connector Type=USB, Contact Material=Copper, Contact Plating=Gold, DatasheetVersion=Mar-12, Gender=Male, Height="2.8 mm", Lead Pitch="0.65 mm", Length="7.5 mm", Mount="Surface Mount", PackageDescription="2-Pin Surface Mount Device, Body 1.6 x 0.8 mm, Height 0.9 mm", PackageReference=HSMX-C190, Packaging="Tape and Reel", Pins=5, REACH SVHC="No SVHC", RoHSCompliant=true, Width="5.6 mm"
F1: library part CMP-08606-000029-1, "PTC RESET FUSE 16V 1.1A 1210", Ambient Temperature Range High=+85°C, Ambient Temperature Range Low=-40°C, Current Rating=100A, Hold Current=1.1A, Manufacturer="Littelfuse Inc", Package=0, Resistance=0.06-0.21Ω, Temperature="-40°C to +85°C", Trip Current=2.2A, Voltage Rating=16V, Automotive=No, Category=Fuse, ComponentLink2Description=Datasheet, ComponentLink2URL=https://www.littelfuse.com/~/media/electronics/datasheets/resettable_ptcs/littelfuse_ptc_1210l_datasheet.pdf.pdf, Device Class L1="Circuit Protection", Device Class L2="PTC Resettable Fuses", Device Class L3=unset, Digikey Description="PTC RESET FUSE 16V 1.1A 1210", Height=1.25mm, Lead Free=Yes, Manufacturer Part Number=1210L110/16WR, Mouser Description="Resettable Fuses - PPTC 16V 1.10A 1210 PTC", Octopart=https://octopart.com/1210l110%2F16wr-littelfuse-28867107, RoHS=TRUE, Temperature Range High=+85°C, Temperature Range Low=-40°C, Trip Time=0.1s
F2 F3: "Resettable Fuse", Arrow Part Number=1812L260/16MR, Manufacturer_Name=LITTELFUSE, Mouser Part Number=576-1812L260/16MR, Arrow Price/Stock=https://www.arrow.com/en/products/1812l26016mr/littelfuse, Datasheet Link=http://www.littelfuse.com/~/media/electronics/datasheets/resettable_ptcs/littelfuse_ptc_1812l_datasheet.pdf.pdf, Height=1.25mm, Manufacturer_Part_Number=1812L260/16MR, Mouser Price/Stock=https://www.mouser.co.uk/ProductDetail/Littelfuse/1812L260-16MR?qs=cIziFXvMxOVeszNO%252BSt%252B3Q%3D%3D
FB1: library part CMP-06046-000147-1, "Ferrite Chip Bead 8.5Ω ±25% 5A, DCR 0.004Ω 0603 AEC-200", Manufacturer=Murata, Supplier Part Number 1=81-BLE18PS080BH1D, Category="Ferrite Beads and Chips", Manufacturer Part Number=BLE18PS080BH1D, Pricing 1="1=0,28000, 10=0,19000, 50=0,19000, 100=0,16000, 1000=0,11200, 10000=0,09100 (USD)", RoHS=Yes, Stock 1=450, Supplier 1=Mouser
IC2 IC3 IC5: "Integrated Circuit", Manufacturer_Name="Texas Instruments", Mouser Part Number=595-INA290A4QDCKRQ1, Arrow Part Number=INA290A4QDCKRQ1, Arrow Price/Stock=https://www.arrow.com/en/products/ina290a4qdckrq1/texas-instruments?region=nac, Datasheet Link=https://www.ti.com/lit/gpn/INA290-Q1, Height=1.1mm, Manufacturer_Part_Number=INA290A4QDCKRQ1, Mouser Price/Stock=https://www.mouser.co.uk/ProductDetail/Texas-Instruments/INA290A4QDCKRQ1?qs=eP2BKZSCXI5u8rewO66qig%3D%3D
IC6_MOTOR1 IC6_MOTOR2 IC6_MOTOR3 IC6_MOTOR4: "Integrated Circuit", Manufacturer_Name="Texas Instruments", Mouser Part Number=595-TMUX1072RUTR, Arrow Part Number=TMUX1072RUTR, Arrow Price/Stock=https://www.arrow.com/en/products/tmux1072rutr/texas-instruments, Datasheet Link=http://www.ti.com/lit/gpn/tmux1072, Height=0.55mm, Manufacturer_Part_Number=TMUX1072RUTR, Mouser Price/Stock=https://www.mouser.co.uk/ProductDetail/Texas-Instruments/TMUX1072RUTR?qs=w%2Fv1CP2dgqp1ghU2rNl24g%3D%3D
IC7_MOTOR1 IC7_MOTOR2 IC7_MOTOR3 IC7_MOTOR4 IC8_MOTOR1 IC8_MOTOR2 IC8_MOTOR3 IC8_MOTOR4: "Integrated Circuit", Manufacturer_Name=Infineon, Mouser Part Number=942-IR2301SPBF, Arrow Part Number=IR2301SPBF, Arrow Price/Stock=https://www.arrow.com/en/products/ir2301spbf/infineon-technologies-ag, Datasheet Link=https://www.infineon.com/dgdl/ir2301.pdf?fileId=5546d462533600a4015355c97bb216dc, Height=1.75mm, Manufacturer_Part_Number=IR2301SPBF, Mouser Price/Stock=https://www.mouser.co.uk/ProductDetail/Infineon-IR/IR2301SPBF?qs=dQmlx5f5cRI9WSlcvq46eg%3D%3D
IC9: "Integrated Circuit", Manufacturer_Name=U-Blox, Datasheet Link=https://www.u-blox.com/sites/default/files/NEO-M8-FW3_DataSheet_%28UBX-15031086%29.pdf, Manufacturer_Part_Number=NEO-M8M-0-10
IC10: "Integrated Circuit", Manufacturer_Name=Nexperia, Mouser Part Number=771-HC7540D112, Arrow Part Number=74HC7540D,112, Arrow Price/Stock=https://www.arrow.com/en/products/74hc7540d112/nexperia, Datasheet Link=https://assets.nexperia.com/documents/data-sheet/74HC_HCT7540.pdf, Height=2.65mm, Manufacturer_Part_Number=74HC7540D,112, Mouser Price/Stock=https://www.mouser.co.uk/ProductDetail/Nexperia/74HC7540D112?qs=P62ublwmbi92dGW19WIHEQ%3D%3D
IC11: "Integrated Circuit", Manufacturer_Name=NXP, Mouser Part Number=771-BGU7007115, Arrow Part Number=BGU7007,115, Arrow Price/Stock=https://www.arrow.com/en/products/bgu7007115/nxp-semiconductors?region=nac, Datasheet Link=http://www.nxp.com/docs/en/data-sheet/BGU7007.pdf, Height=0.5mm, Manufacturer_Part_Number=BGU7007,115, Mouser Price/Stock=https://www.mouser.co.uk/ProductDetail/NXP-Semiconductors/BGU7007115?qs=fhAOlxDPaYXiJwy%2FPDMatw%3D%3D
J1 J2 J3 J30 J31 J43 J44 J51 J52 J53 J59 U7: Package=None, Availability=Unavailable, Price=None
  J1: MF="{'manufacturer': u'Samtec Inc.'}", MP=TSW-102-05-G-S
  J2 J30 J31 J43 J44 J51 J52: MF="{'manufacturer': u'Samtec'}", MP=TSW-104-05-T-S
  J3: MF="{'manufacturer': u'Samtec'}", MP=TSW-106-05-L-S
  J53: MF="{'manufacturer': u'Samtec'}", MP=TSW-108-05-G-D
  J59: MF="{'manufacturer': u'Samtec Inc.'}", MP=TSW-103-05-G-S
  U7: MF="{'manufacturer': u'Microchip Technology'}", MP=RE46C100S8F
J4 J6 J9 J11 J12 J13 J14 J15 J16 J17 J22 J23 J24 J25 J32 J33 J34 J35 J37 J38 J41 J42 J45 J46 J48 J49 J50 J54 J55 J56 J62 J63 J64 J67 J69 J70 J71 J72 J73: library part CMP-2000-05183-2, "PC TEST POINT MINIATURE", Color=White, Manufacturer=keystone, Package Quantity=1, Supplier Part Number 1=534-5015, Automotive=No, Category=Conn, ComponentLink1Description=https://datasheet.ciiva.com/1123/5015-1123862.pdf?src-supplier=Newark, ComponentLink1URL=https://datasheet.ciiva.com/1123/5015-1123862.pdf?src-supplier=Newark, ComponentLink2Description=Datasheet, ComponentLink2URL=http://www.keyelco.com/product-pdf.cfm?p=1353, ComponentLink3Description=https://datasheet.ciiva.com/2917/5015-2917616.pdf?src-supplier=Digi-Key, ComponentLink3URL=https://datasheet.ciiva.com/2917/5015-2917616.pdf?src-supplier=Digi-Key, ComponentLink4Description=https://datasheet.ciiva.com/2917/5015-2917617.pdf?src-supplier=Digi-Key, ComponentLink4URL=https://datasheet.ciiva.com/2917/5015-2917617.pdf?src-supplier=Digi-Key, ComponentLink5Description=https://datasheet.ciiva.com/16883/70182998-16883734.pdf?src-supplier=Allied+Electronics, ComponentLink5URL=https://datasheet.ciiva.com/16883/70182998-16883734.pdf?src-supplier=Allied+Electronics, Conn Orientation=Straight, Contact Material=Silver, Contact Plating=Silver,Tin,Lead, Depth=1.01mm, Device Class L1=Connectors, Device Class L2=unset, Device Class L3=unset, Digikey Description="PC TEST POINT MINIATURE", Height=1.65mm, Lead Free=Yes, Length=2.66mm, Manufacturer Part Number=5015, Material=Bronze,Silver, Mount="Surface Mount", Number of Contacts=1, Number of Ports=1, Octopart=https://octopart.com/5015-keystone-3822, Orientation=Straight, Package=5015, Packaging="Tape and Reel", Pricing 1="1=0,45000, 10=0,43800, 25=0,36500, 50=0,36500, 100=0,30200, 250=0,27200, 500=0,25800, 1000=0,21300, 2000=0,19600, 5000=0,17200, 10000=0,17200 (USD)", REACH SVHC="No SVHC", RoHS=TRUE, RoHS Compliant=Yes, Series=-, Stock 1=1597055, Supplier 1=Mouser, Termination=Solder, Thickness=0.01inch
J5: library part CMP-2000-05487-1, "SMA Right-Angle PCB Jack Receptacle, Brass Body, Gold Plated, 50 Ohm, 5-Pin THD, RoHS, Tray", Case/Package=SMA, Dielectric Material=PTFE, Frequency=12Hz, Housing Color=Gold, Manufacturer=Molex, Manufacturer Part Number=73100-0114, Max Frequency=18GHz, Max Operating Temperature=165°C, Min Operating Temperature=-65°C, Operating Frequency="0 to 12 GHz", Package Description="5-Pin Through Hole Device, Body 14.8 x 6.35 mm, Pitch 2.54 mm", Package Quantity=1760, Supplier Part Number 1=538-73100-0114, Voltage Rating=500V, Body Material=Brass, Body Plating=Gold, Category="RF / Coaxial Connectors", Center Contact Plating=Gold, ComponentLink1Description=https://datasheet.ciiva.com/7996/1596725-7996452.pdf?src-supplier=Element14, ComponentLink1URL=https://datasheet.ciiva.com/7996/1596725-7996452.pdf?src-supplier=Element14, ComponentLink2Description=https://datasheet.ciiva.com/30104/82220731000114-rf-coax-nectors-30104097.pdf?src-supplier=Onlinecomponents.com, ComponentLink2URL=https://datasheet.ciiva.com/30104/82220731000114-rf-coax-nectors-30104097.pdf?src-supplier=Onlinecomponents.com, ComponentLink3Description=https://datasheet.ciiva.com/26945/getdatasheetpartid-152702-26945396.pdf?src-supplier=Verical, ComponentLink3URL=https://datasheet.ciiva.com/26945/getdatasheetpartid-152702-26945396.pdf?src-supplier=Verical, Connector Type=SMA,PCB,Coaxial, Contact Material=Copper, Contact Plating=Gold, Datasheet URL=http://www.molex.com/webdocs/datasheets/pdf/en-us/0731000114_RF_COAX_CONNECTORS.pdf, Datasheet Version=09/2016, Fastening Type=Threaded, Gender=Female, Impedance=50R, Insulation Material=Teflon, Length=14.8mm, Manufacturer URL=http://www.molex.com/, Mount="Through Hole", Mounting Technology=ThroughHole, Orientation="Right Angle", Package Reference=731000114, Package URL=http://www.molex.com/pdm_docs/sd/731000114_sd.pdf, Packaging=Tray, Plating=Gold, Polarity=Normal, Pricing 1="1=5,69000, 10=5,01000, 50=5,01000, 100=3,99000, 500=3,88000, 1000=3,31000, 2500=3,07000, 5000=2,95000, 10000=2,84000 (USD)", Radiation Hardening=No, REACH SVHC=Unknown, RoHS=Yes, Series=73100, Stock 1=639, Supplier 1=Mouser, Termination=Solder